# Altium PCB Thermostat_8CH.PCBDOC (part 9 of 10) (continued)
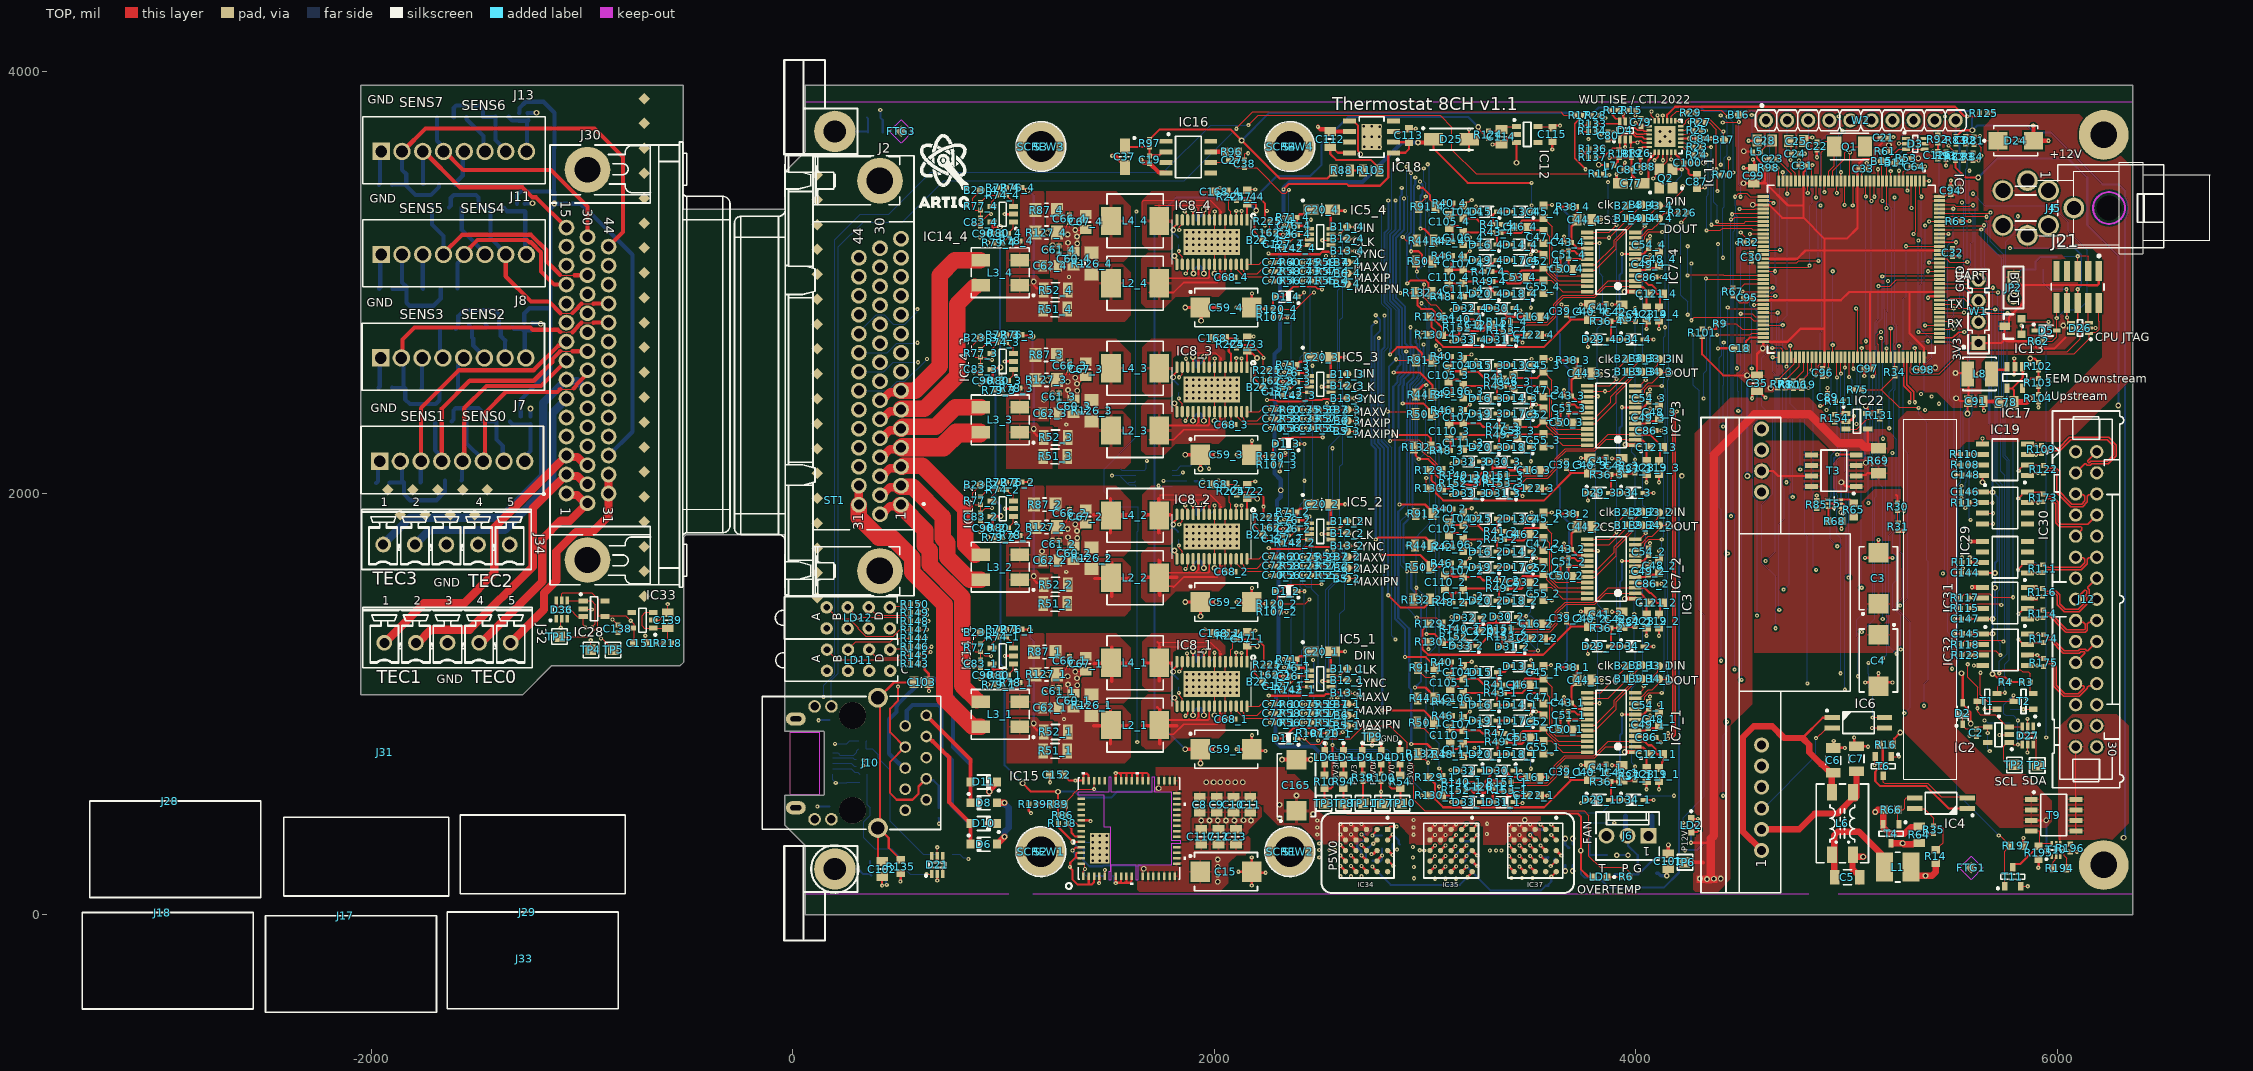
[diagram p0: TOP view]
## Nets (pads, with @x,y where several pads share a name; then routed paths per layer and width w, separated by ;. In a path a pad name is that pad's centre, name@x,y a point inside that pad or via, vN(x,y) a via of type N, cw(c..) or ccw(c..) an arc to the next point about the centre after c; other vN are vias at no path point) (continued)
  TOP w10: 1735.19,1525.78 1735.19,1557.83 1735.19,1684.36 1735.62,1684.8
  TOP w15.75: 1660.66,1601.71 1821.72,1601.71 ; 1741.19,1516.58 1741.19,1677.64
SW1_3: IC8_3.19 IC8_3.21 IC8_3.23 L2_3.1 | length 795.3
  TOP w8: L2_3.1@1692.39,2253.69 1806.14,2253.69 1854.32,2301.87 2012.19,2301.87 2026.85,2316.53 IC8_3.23@2026.85,2387.6 ; L2_3.1@1752.95,2309.13 1765.52,2321.71 1908.06,2321.71 ; IC8_3.19@1924.49,2387.6 1924.49,2338.14 1908.06,2321.71 ; IC8_3.21@1975.67,2387.6 1975.67,2326.39 1970.98,2321.71 1908.06,2321.71
SW1_4: IC8_4.19 IC8_4.21 IC8_4.23 L2_4.1 | length 772.1
  TOP w8: L2_4.1@1692.39,2952.51 1806.14,2952.51 1854.32,3000.69 2012.19,3000.69 2026.85,3015.35 IC8_4.23@2026.85,3086.42 ; L2_4.1@1752.95,3007.95 1765.52,3020.52 1908.06,3020.52 1970.98,3020.52 1975.67,3025.21 IC8_4.21@1975.67,3086.42 ; 1924.49,3036.96 IC8_4.19@1924.49,3086.42
SW2_1: IC8_1.6 IC8_1.8 IC8_1.10 L4_1.1 | length 1224.7
  TOP w5: 1730.99,1293.06 1981.58,1293.06 2026.85,1247.79 IC8_1.6@2026.85,1200.98 ; 1738.97,1271.04 1889.81,1271.04 ; IC8_1.10@1924.49,1200.98 1924.49,1253.98 1907.44,1271.04 1889.81,1271.04 ; IC8_1.8@1975.67,1200.98 1975.67,1254.26 1958.89,1271.04 1889.81,1271.04
  TOP w10: 1730.99,1293.06 1738.97,1285.08 1738.97,1271.04 1738.97,1107
  TOP w15.75: 1670.28,1195.26 1791.43,1192.98 ; 1738.19,1110.86 1738.19,1271.91
SW2_2: IC8_2.6 IC8_2.8 IC8_2.10 L4_2.1 | length 1237.5
  TOP w5: 1743.11,1808.88 1742.58,1809.41 1742.58,1969.85 ; IC8_2.10@1924.49,1899.8 1924.49,1952.8 1907.44,1969.85 1958.89,1969.85 ; IC8_2.8@1975.67,1899.8 1975.67,1953.08 1958.89,1969.85 ; IC8_2.6@2026.85,1899.8 2026.85,1946.61 1981.58,1991.88 1742.58,1991.88 1742.58,1969.85 ; 1742.58,1969.85 1958.89,1969.85
  TOP w15.75: 1669.87,1898.38 1791.43,1897.8 ; 1735.19,1812.68 1735.19,1973.73
SW2_3: IC8_3.6 IC8_3.8 IC8_3.10 L4_3.1 | length 361.5
  TOP w5: L4_3.1@1738.19,2593.62 1753.88,2609.32 L4_3.1@1753.88,2621.22 ; IC8_3.10@1924.49,2598.62 1924.49,2651.62 1908.05,2668.06 1959.5,2668.06 ; IC8_3.8@1975.67,2598.62 1975.67,2651.9 1959.5,2668.06 ; IC8_3.6@2026.85,2598.62 2026.85,2645.43 2004.21,2668.06 1959.5,2668.06
SW2_4: IC8_4.6 IC8_4.8 IC8_4.10 L4_4.1 | length 971.8
  TOP w5: 1658.68,3297.44 1658.68,3382.87 1665.33,3389.52 1981.58,3389.52 2026.85,3344.24 IC8_4.6@2026.85,3297.44 ; 1716.83,3367.49 1907.44,3367.49 1924.49,3350.44 IC8_4.10@1924.49,3297.44 ; L4_4.1@1738.19,3292.44 1753.88,3308.14 L4_4.1@1753.88,3320.04 ; 1888.38,3366.07 1889.81,3367.49 1958.89,3367.49 1975.67,3350.72 IC8_4.8@1975.67,3297.44
SWCLK: D26.3 IC9.109 J21.4 | length 918.1
  TOP w5: IC9.109@5441.06,2719.23 5495.18,2719.23 5542,2672.42 6047.97,2672.42 6107.89,2732.34 6107.89,2801.5 6115.97,2809.58 D26.3@6139.26,2809.58 ; J21.4@6146.85,2897.64 6146.85,2817.16 D26.3@6139.26,2809.58 ; D26.3@6151.2,2809.58 D26.3@6139.26,2809.58
SWDIO: D26.1 IC9.105 J21.2 | length 1196.3
  TOP w5: IC9.105@5308.18,2645.41 5308.18,2603.76 5301.75,2597.33 5301.75,2574.74 5309.25,2567.24 5439.43,2567.24 5534.61,2662.42 6080.37,2662.42 6151.2,2733.25 D26.1@6151.2,2758.4 6156.57,2763.77 6185.07,2763.77 6198.79,2777.49 6198.79,2815.23 6196.85,2817.16 J21.2@6196.85,2897.64
TACHO: IC9.69 R9.1 | length 196
  TOP w5: R9.1@4419.5,2805 4477.28,2805 4503.99,2778.29 IC9.69@4604.44,2778.29
TD_N: J10.2 R134.2 | length 7698.2
  TOP w6: v1(3740.16,3715.47) 3773.12,3715.47 R134.2@3775.55,3717.91
  L2 w5: J10.2@633.04,545.87 633.04,544.4 631.58,544.4 601.6,514.42 601.6,508.82 607.83,502.58 607.83,464.72 589.44,446.33 510.23,446.33 402.54,554.01 402.54,934.64 461.39,993.49 461.39,1054.35 442.61,1073.13 421.42,1094.31 72.22,1094.31 68.99,1097.54 46.09,1120.44 46.09,3403.86 491.02,3848.8 3736.77,3848.8 3761.55,3824.02 3765.43,3820.13 3784.89,3800.68 3784.89,3744.63 3763.97,3723.7 3750.43,3723.7 3742.2,3715.47 v1(3740.16,3715.47)
TD_P: J10.1 R133.2 | length 7608.9
  TOP w6: v1(3742.93,3742.93) 3745.55,3745.55 3761.25,3745.55 3762.28,3746.57 3769.97,3746.57 R133.2@3776.73,3753.34
  L2 w5: J10.1@533.04,495.87 538.21,501.04 593.82,501.04 596.83,498.02 596.83,469.27 584.89,457.33 514.79,457.33 413.54,558.57 413.54,930.09 472.39,988.93 472.39,1058.91 425.98,1105.31 76.77,1105.31 57.09,1125 57.09,3399.31 495.58,3837.8 3732.21,3837.8 3773.89,3796.12 3773.89,3749.18 3759.41,3734.7 3753.2,3734.7 3744.97,3742.93 v1(3742.93,3742.93)
TDI: D26.4 IC9.110 J21.8 R33.1 | length 1023.8
  TOP w6: IC9.110@5441.06,2738.92 5504.92,2738.92 5531.33,2765.33 v1(5558.51,2765.33) ; v1(6043.31,2968) 6045.08,2966.23 6045.08,2835.64 v1(6046.85,2833.86) 6048.88,2831.83 D26.4@6048.88,2814.45 ; D26.4@6048.88,2814.45 6059.71,2814.45 D26.4@6064.58,2809.58 6053.76,2809.58 D26.4@6048.88,2814.45
  L2 w6: v1(5558.51,2765.33) 5559.72,2766.55 5959.6,2766.55 6011.09,2818.04 6031.02,2818.04 v1(6046.85,2833.86)
  BOT w6: R33.1@5933.13,3062.83 5933.13,2998.14 5963.27,2968 v1(6043.31,2968)
TDO: D26.6 IC9.133 J21.6 | length 1100.2
  TOP w6: IC9.133@5441.06,3191.67 v1(5519.69,3191.67) ; D26.6@6064.58,2758.4 6075.41,2758.4 6085.13,2768.11 6086.6,2768.11 6096.85,2778.37 6096.85,2967.85 v1(6097,2968)
  L2 w6: v1(5519.69,3191.67) 5690.08,3191.67 5718.37,3163.39 v1(5775.59,3163.39)
  BOT w6: v1(5775.59,3163.39) 6083.44,3163.39 6104.24,3142.59 6114.69,3132.14 6114.69,3131.7 6114.95,3131.45 6114.95,2985.95 v1(6097,2968)
TEC0+: J2.31 J2.32 L3_1.4 | length 1443.1
  TOP w39.37: J2.31@313,1945.95 J2.32@313,2036.11
  TOP w78.74: J2.31@313,1945.95 313,1884.56 407.98,1789.59 470.66,1789.59 565.64,1694.61 565.64,1626.21 719.26,1472.59 719.26,1026.12 811.41,933.97 853.65,891.73 L3_1.4@891.73,891.73
TEC0-: J2.1 J2.16 L3_1.3 | length 1190
  TOP w39.37: J2.16@413,1900.2 422.59,1900.2 461.56,1939.17 503.15,1939.17 J2.1@507.87,1943.9
  TOP w78.74: J2.1@507.87,1943.9 626.89,1824.88 626.89,1751.79 649.38,1729.3 649.38,1660.9 803,1507.28 803,1086.76 L3_1.3@872.06,1017.71
TEC1+: J2.2 J2.17 L3_2.4 | length 777.6
  TOP w39.37: J2.17@413,1990.36 422.59,1990.36 461.56,2029.33 510.63,2029.33 J2.2@511.81,2030.51
  TOP w78.74: J2.2@511.81,2030.51 568.9,2030.51 710.63,1888.78 710.63,1786.47 733.12,1763.98 733.12,1695.59 838.15,1590.55 L3_2.4@891.73,1590.55
TEC1-: J2.3 J2.18 L3_2.3 | length 746.3
  TOP w39.37: J2.18@413,2080.52 422.59,2080.52 461.56,2119.49 512.2,2119.49 J2.3@517.72,2125
  TOP w78.74: J2.3@517.72,2125 522.56,2129.84 614.25,2129.84 817.91,1926.18 817.91,1754.79 L3_2.3@864.04,1708.66
TEC2+: J2.4 J2.19 L3_3.4 | length 962.5
  TOP w39.37: J2.19@413,2170.68 422.59,2170.68 461.56,2209.65 506.22,2209.65 J2.4@513,2216.43
  TOP w78.74: J2.4@513,2216.43 519.42,2222.84 703.47,2222.84 771.97,2291.34 L3_3.4@887.8,2291.34 ; J2.4@513.78,2213.58 716.54,2213.58 782.47,2279.52 ; 755.91,2255.91 779.53,2279.53 L3_3.4@887.8,2279.53
TEC2-: J2.5 J2.20 L3_3.3 | length 539.5
  TOP w39.37: J2.20@413,2260.83 422.59,2260.83 461.56,2299.8 506.22,2299.8 J2.5@513,2306.58
  TOP w78.74: J2.5@513,2306.58 521.39,2314.97 677.17,2314.97 769.69,2407.48 L3_3.3@891.73,2407.48
TEC3+: J2.6 J2.21 L3_4.4 | length 909.4
  TOP w39.37: J2.21@413,2350.99 422.59,2350.99 461.56,2389.96 503.15,2389.96 J2.6@513.78,2400.59
  TOP w78.74: J2.6@513.78,2400.59 623.03,2400.59 779.53,2557.09 779.53,2897.64 L3_4.4@862.2,2980.32
TEC3-: J2.7 J2.22 L3_4.3 | length 1003.4
  TOP w39.37: J2.22@413,2441.15 422.59,2441.15 461.56,2480.12 505.71,2480.12 J2.7@511.81,2486.22
  TOP w78.74: J2.7@511.81,2486.22 579.72,2486.22 695.79,2602.28 695.79,3034.37 767.72,3106.3 L3_4.3@887.8,3106.3
TEC_U_meas0: B23_1.1 C83_1.2 IC9.29 R77_1.2 | length 6387.4
  TOP w5: C83_1.2@890.18,1208.45 R77_1.2@890.17,1247.83 ; B23_1.1@890.82,1340.94 854.08,1304.19 854.08,1259.07 865.32,1247.83 R77_1.2@890.17,1247.83 ; v1(940.36,1228.14) 910.65,1228.14 890.96,1247.83 R77_1.2@890.17,1247.83 ; IC9.29@4816.06,3482.03 4816.05,3425.12 v1(4816.21,3424.96)
  L2 w5: v1(940.36,1228.14) 967.5,1255.28 1779.52,1255.28 1830.07,1305.83 2857.86,1305.83 v1(2858.87,1306.84) ; v1(2803,3348.28) 3153.85,3348.28 3222.22,3416.66 4456.33,3416.66 4469.6,3429.92 4643.12,3429.92 4652.02,3438.82 4802.35,3438.82 v1(4816.21,3424.96)
  BOT w5: v1(2803,3348.28) 2803,3342.18 2795.29,3334.47 2795.29,2899.41 2824.85,2869.85 2824.85,2693.34 2805.29,2673.78 2805.29,2252.12 2842.15,2215.26 2842.15,1323.56 v1(2858.87,1306.84)
TEC_U_meas1: B23_2.1 C83_2.2 IC9.34 R77_2.2 | length 5539.6
  TOP w5: C83_2.2@890.18,1907.27 912.8,1929.89 v1(944.3,1929.89) ; C83_2.2@890.18,1907.27 R77_2.2@890.17,1946.65 865.32,1946.65 854.08,1957.89 854.08,2003.01 B23_2.1@890.82,2039.75 ; IC9.34@4717.63,3482.03 4718,3481.65 4718,3421.85 v1(4718.38,3421.48)
  L2 w5: v1(944.3,1929.89) 962.99,1948.58 1424.11,1948.58 1445.39,1969.85 2125.5,1969.85 2142.23,1953.13 2224.96,1953.13 2247,1975.17 2364.27,1975.17 2397.8,2008.7 3227.87,2008.7 3232.38,2004.19 4062.44,2004.19 4077.13,2018.88 4101.62,2018.88 4134.86,2052.12 v1(4714.35,2052.12)
  BOT w5: v1(4714.35,2052.12) 4714.35,2362.32 4681.04,2395.63 4681.04,2599.7 4679.67,2601.08 4679.67,2805.16 4718.38,2843.87 v1(4718.38,3421.48)
TEC_U_meas2: B23_3.1 C83_3.2 IC9.37 R77_3.2 | length 4805.6
  TOP w5: C83_3.2@890.18,2606.09 R77_3.2@890.17,2645.47 ; B23_3.1@890.82,2738.57 854.08,2701.83 854.08,2656.71 865.32,2645.47 R77_3.2@890.17,2645.47 ; v1(944.3,2632.97) 928.34,2632.97 915.84,2645.47 R77_3.2@890.17,2645.47 ; v1(4471.46,3407.25) 4488.8,3424.6 4526.73,3424.6 4543.59,3407.73 4603.96,3407.73 IC9.37@4604.44,3408.21
  L2 w5: v1(944.3,2632.97) 948.28,2632.97 958.43,2643.12 1550.09,2643.12 1605.87,2587.34 2319.71,2587.34 2324.51,2592.15 2428.33,2592.15 2457.82,2562.66 2602.98,2562.66 2633.83,2593.5 v1(4480.41,2593.5)
  BOT w5: v1(4471.46,3407.25) 4471.46,3364.58 4474.34,3361.69 4474.34,3320.8 4480.41,3314.74 4480.41,3212.28 4497.14,3195.55 4497.14,2971.66 4480.41,2954.93 v1(4480.41,2593.5)
TEC_U_meas3: B23_4.1 C83_4.2 IC9.40 R77_4.2 | length 3966.3
  TOP w5: B23_4.1@890.82,3437.39 854.08,3400.65 854.08,3355.53 865.32,3344.28 R77_4.2@890.17,3344.28 C83_4.2@890.18,3304.91 910.28,3304.91 929.97,3324.6 v1(940.36,3324.6) ; v1(4492.61,3349.15) 4494.21,3347.56 4564.04,3347.56 4565.64,3349.15 IC9.40@4604.44,3349.15
  L2 w5: v1(940.36,3324.6) 980.83,3324.6 1024.87,3280.55 2119.02,3280.55 2129.02,3270.55 2215.28,3270.55 2235.69,3290.96 2345.14,3290.96 2355.55,3280.55 2659.53,3280.55 2666.87,3287.9 3607.11,3287.9 3670.55,3351.34 4490.42,3351.34 v1(4492.61,3349.15)
TECB0+: J30.31 J30.32 J32.5 | length 1036.6
  TOP w39.37: J32.5@-1339.24,1290.55 -1181.18,1448.62 -1181.18,1526.89 -1122.87,1585.19 -1122.87,1723.48 -1029.89,1816.46 -951.49,1816.46 -874.82,1893.14 J30.31@-874.82,1998.75 J30.32@-874.82,2088.91
TECB0-: J30.1 J30.16 J32.4 | length 1025.6
  TOP w39.37: J32.4@-1489.24,1290.55 -1480.26,1290.55 -1189,1581.81 -1189,1783 -1101.92,1870.08 -1057.74,1870.08 J30.16@-974.82,1953 -984.4,1953 -1002.12,1970.72 -1002.72,1970.72 -1023.97,1991.97 -1068.04,1991.97 J30.1@-1074.82,1998.75
TECB1+: J30.2 J30.17 J32.2 | length 1326.4
  TOP w39.37: J32.2@-1789.24,1290.55 -1779.66,1290.55 -1717.57,1352.64 -1534.02,1352.64 -1234.59,1652.07 -1234.59,1929.13 J30.2@-1074.82,2088.91 -1068.04,2082.13 -1023.37,2082.13 -984.4,2043.16 J30.17@-974.82,2043.16
TECB1-: J30.3 J30.18 J32.1 | length 1476.7
  TOP w39.37: J32.1@-1939.24,1290.55 -1751.8,1478 -1562,1478 -1418,1622 -1418,1835.88 J30.3@-1074.82,2179.06 -1068.04,2172.28 -1023.37,2172.28 -984.4,2133.31 J30.18@-974.82,2133.31
TECB2+: J30.4 J30.19 J34.5 | length 743.2
  L2 w39.37: J34.5@-1344.43,1756.67 -1160.63,1940.46 -1160.63,2183.41 J30.4@-1074.82,2269.22 -1068.04,2262.44 -1023.37,2262.44 -984.4,2223.47 J30.19@-974.82,2223.47
TECB2-: J30.5 J30.20 J34.4 | length 895.5
  L2 w39.37: J34.4@-1494.43,1756.67 -1205,2046.09 -1205,2229.19 J30.5@-1074.82,2359.38 -1068.04,2352.6 -1023.37,2352.6 -984.4,2313.63 J30.20@-974.82,2313.63
TECB3+: J30.6 J30.21 J34.2 | length 1319.4
  L2 w39.37: J30.6@-1074.82,2449.54 -1068.04,2442.76 -1023.37,2442.76 -984.4,2403.79 J30.21@-974.82,2403.79
  BOT w39.37: J34.2@-1794.43,1756.67 -1724.87,1826.22 -1367.28,1826.22 -1140.63,2052.87 -1140.63,2381.37 -1074.82,2447.18 J30.6@-1074.82,2449.54
TECB3-: J30.7 J30.22 J34.1 | length 1517
  BOT w39.37: J34.1@-1944.43,1756.67 -1817.09,1884 -1382,1884 -1185,2081 -1185,2429.51 J30.7@-1074.82,2539.69 -1068.04,2532.91 -1023.37,2532.91 -984.4,2493.94 J30.22@-974.82,2493.94
TXD: IC9.136 W1.3 | length 564.2
  TOP w5: IC9.136@5441.06,3250.73 5638.73,3250.73 v1(5639,3251)
  BOT w5: W1.3@5625.98,2913.39 5666.95,2954.35 5666.95,3047.98 5639,3075.92 v1(5639,3251)
U_meas_P3V3: C126.1 IC9.19 R92.1 R93.1 | length 639.5
  TOP w5: IC9.19@5012.91,3482.03 5014.45,3483.58 5014.45,3615.45 v1(5016,3617)
  TOP w10: v1(5408.95,3622.05) C126.1@5433.07,3622.05 ; R92.1@5433.07,3662.6 C126.1@5433.07,3622.05 ; R93.1@5472.44,3620.87 5471.85,3621.46 5433.66,3621.46 C126.1@5433.07,3622.05
  L2 w5: v1(5016,3617) 5175.08,3617 5179.48,3612.6 5395.53,3612.6 5404.98,3622.05 v1(5408.95,3622.05)
U_meas_P5V0: C93.1 IC9.26 R82.2 R84.1 | length 898.6
  TOP w5: IC9.26@4875.11,3482.03 4879.36,3486.28 4879.36,3619.39 v1(4893.31,3633.34) ; v1(5484.27,3650.15) 5484.27,3647.04 5515.63,3615.68 5555,3615.68 C93.1@5555.78,3614.9 5557.36,3616.47 R84.1@5599.35,3616.47
  L2 w5: v1(4893.31,3633.34) 4894.31,3634.34 5171.88,3634.34 5183.62,3622.6 5335.82,3622.6 5363.37,3650.15 v1(5484.27,3650.15)
U_meas_P12V0: C92.1 IC9.28 R81.1 R83.1 | length 1081
  TOP w5: IC9.28@4835.74,3482.03 4835.74,3555.82 v1(4837.2,3557.27) ; R83.1@5519.69,3656.06 5520.47,3656.06 5538.04,3673.63 5548.74,3673.63 5567.09,3655.28 R81.1@5604.13,3655.28 5623.84,3655.28 5639,3640.12 v1(5639,3602)
  L2 w5: v1(4837.2,3557.27) 5027.3,3557.27 5034.81,3549.76 5137.03,3549.76 5155.56,3568.29 5349.49,3568.29 5383.2,3602 v1(5639,3602)
USB_ID: C108.2 D21.1 FB2.1 IC9.102 | length 7792.2
  TOP w5: v1(633.04,192.91) D21.1@659.45,192.91 ; IC9.102@5249.13,2645.41 v1(5249.13,2698.18)
  L2 w5: v1(633.04,192.91) 822.37,192.91 868.33,238.87 868.33,469.27 858.34,479.26 858.34,589.97 868.33,599.97 908.71,640.35 916.74,640.35 938.39,662 1283.32,662 1315.96,694.64 1913.76,694.64 1941.25,667.15 3155.89,667.15 3207.49,718.75 3722.66,718.75 3732.66,728.75 4280.61,728.75 4513.86,962 5271.07,962 5274,959.07 v1(5274,956.66)
  BOT w5: FB2.1@352.17,666.34 352.17,629.33 C108.2@351.77,628.94 351.77,523.02 367.13,507.66 367.13,472.93 335.07,440.87 335.07,365.98 387.95,313.1 468.26,313.1 533.04,248.32 533.04,217 557.13,192.91 v1(633.04,192.91) ; v1(5249.13,2698.18) 5249.13,1960.52 5252.28,1957.37 5252.28,1723 5265.54,1709.73 5265.54,1505.72 5236.9,1477.07 5236.9,1454.54 5302.46,1388.97 5302.46,985.12 v1(5274,956.66)
USB_N: D21.4 IC9.103 L9.2 | length 7711.9
  TOP w5: v1(709.95,248.67) 709.95,278.85 D21.4@710.63,279.53
  TOP w6.69: v1(4152.66,861.17) 4156.18,861.17 4162.17,855.18 4171.25,855.18 4175.17,859.1 4175.17,2378.53 4169.17,2384.52 v1(4169.17,2388.04) ; IC9.103@5268.81,2645.41 5272.31,2641.92 5272.31,2509.21 5305.38,2476.14 5305.38,2441.41
  L2 w5: v1(4169.17,2388.04) 4169.17,2391.47 4176.02,2398.31 4176.02,2409.94 4185.52,2419.44 4782.7,2419.44 4811.21,2447.95 4931.08,2447.95 4955.82,2423.22 4959.71,2419.33 4976.04,2402.99 5049.69,2402.99 5066.88,2385.81 5283.23,2385.81 5306.23,2408.8 5306.23,2422.84 5299.39,2429.68 v1(5299.39,2431.9)
  L2 w5.98: v1(333.66,733.69) 337.37,733.69 343.72,727.34 357.44,727.34 373.37,711.42 373.37,542.45 673.95,241.88 699.6,241.88 706.39,248.67 v1(709.95,248.67) 713.66,248.67 719.56,242.77 773.28,242.77 779.53,249.02 779.53,644.59 882.16,747.22 1249.09,747.22 1282.69,780.83 1734.72,780.83 1758.99,756.55 2255.43,756.55 2274.45,775.57 2890.59,775.57 2896.57,769.58 3547.77,769.58 3573.62,795.44 3873.47,795.44 3932.85,854.82 4142.6,854.82 4148.95,861.17 v1(4152.66,861.17)
  BOT w5: 341.91,726.85 351,726.85 351.91,727.76 351.91,731.72 357.28,737.1 L9.2@367.13,737.1
USB_P: D21.3 IC9.104 L9.3 | length 7720.8
  TOP w5: v1(710.55,223.99) 710.55,192.99 D21.3@710.63,192.91
  TOP w6.69: v1(4152.66,836.49) 4156.18,836.49 4162.17,842.48 4176.51,842.48 4187.86,853.84 4187.86,2378.53 4193.86,2384.52 v1(4193.86,2388.04) ; IC9.104@5288.5,2645.41 5285,2641.92 5285,2514.47 5318.07,2481.39 5318.07,2441.41
  L2 w5: v1(4193.86,2388.04) 4193.86,2391.47 4187.02,2398.31 4187.02,2405.38 4190.08,2408.44 4787.26,2408.44 4815.76,2436.95 4926.53,2436.95 4971.48,2391.99 5045.13,2391.99 5062.32,2374.81 5287.79,2374.81 5317.23,2404.24 5317.23,2422.84 5324.07,2429.68 v1(5324.07,2431.9)
  L2 w5.98: v1(333.66,709.01) 337.37,709.01 343.72,715.36 352.48,715.36 361.39,706.45 361.39,537.49 394.53,504.35 403,495.88 668.98,229.89 700.95,229.89 ; v1(710.55,223.99) 714.12,223.99 720.91,230.79 778.25,230.79 791.51,244.05 791.51,639.63 887.12,735.24 1254.05,735.24 1287.66,768.84 1729.75,768.84 1731.55,767.04 1754.03,744.57 2260.4,744.57 2279.42,763.59 2885.62,763.59 2891.61,757.6 3552.73,757.6 3578.59,783.45 3878.43,783.45 3937.81,842.84 4142.6,842.84 4148.95,836.49 v1(4152.66,836.49)
  BOT w5: 341.91,715.85 351,715.85 351.91,714.94 351.91,710.98 357.28,705.6 L9.3@367.13,705.6
USB_VBUS: R34.2 R73.1 R75.1 | length 6983.6
  TOP w5: R75.1@5070.78,2491.88 5165.08,2491.88 ; R34.2@5229.44,2556.24 5228.65,2556.24 5219.74,2547.32 5219.74,2546.54 5165.08,2491.88 ; v1(5342.17,2405.26) 5339.57,2407.86 5249.1,2407.86 5165.08,2491.88
  L2 w5: v1(832.68,264.17) 832.68,533.46 843.62,544.41 843.62,611.83 903.79,672 1279.18,672 1313.78,706.6 1915.95,706.6 1945.39,677.15 3087.63,677.15 3139.23,728.75 3718.52,728.75 3736.81,747.05 4189.64,747.05 4434.6,992 v1(5367.54,992)
  BOT w5: R73.1@754.92,286.42 792.16,286.42 807.07,271.52 825.09,271.52 832.43,264.17 v1(832.68,264.17) ; v1(5342.17,2405.26) 5342.17,2375.24 5381.31,2336.09 5381.31,1683.32 5387,1677.63 5387,1116.24 5367.54,1096.79 v1(5367.54,992)
USBJ_N: J9.2 L9.1 | length 114.1
  BOT w5: J9.2@188.98,744.09 283.36,744.09 290.35,737.1 L9.1@300.2,737.1
USBJ_P: J9.3 L9.4 | length 116.6
  BOT w5: J9.3@188.98,718.5 277.45,718.5 290.35,705.6 L9.4@300.2,705.6
Vref0: IC9.13 R79_1.1 R80_1.1 R224_1.1 | length 7090.9
  TOP w5: v3(925.53,1092.82) 957.12,1092.82 R79_1.1@957.62,1092.31 ; R79_1.1@956.76,1091.92 957.22,1091.92 R79_1.1@957.62,1092.31 ; R80_1.1@985.84,1137.1 985.84,1136.32 966.93,1117.41 966.93,1101.62 R79_1.1@957.62,1092.31 ; IC9.13@5131.02,3482.03 5131.45,3481.59 5131.45,3407.92 v1(5131.89,3407.48)
  TOP w8: R224_1.1@2106.38,1305.83 2107.39,1306.84 2204.57,1306.84 2234.25,1277.16 v1(2234.25,1185.67)
  L2 w5: v3(925.53,1092.82) 1134.79,1092.82 1151.05,1109.08 1222.59,1109.08 1290.37,1176.85 2225.44,1176.85 v1(2234.25,1185.67) 2319.61,1185.67 2325.26,1191.32 2948.28,1191.32 2982.37,1225.4 3668.38,1225.4 3673.19,1220.59 4359.2,1220.59 4397.48,1258.86 v1(5256.89,1258.86) ; v1(5131.89,3407.48) 5135.24,3404.13 v1(5228.35,3404.13)
  BOT w5: v1(5228.35,3404.13) 5228.35,2806.59 5237.1,2797.84 5237.1,2710.68 5231.78,2705.36 5231.78,2494.58 5224.44,2487.24 5224.44,2267.6 5234.68,2257.36 5234.68,1821.78 5220,1807.1 5220,1715.81 5234.93,1700.88 5234.93,1586.55 5220,1571.62 5220,1457.29 5256.89,1420.4 v1(5256.89,1258.86)
Vref0+: J2.37 R50_1.2 R91_1.2 R129_1.1 R140_1.1 | length 5193.7
  TOP w5: R91_1.2@2966.02,1171.06 2966.02,1161.22 2999.74,1127.51 v1(3040.38,1127.51) ; R50_1.2@2970.66,893.98 2978.99,885.65 2993.51,885.65 v1(3039.38,839.79) ; v1(3067.2,694.5) 3079.82,681.88 R129_1.1@3079.82,652.78 ; R129_1.1@3078.84,651.79 3101.48,629.16 R140_1.1@3156.26,629.16
  L2 w5: v1(636.47,2637.02) 697.88,2698.44 2504.97,2698.44 2511.97,2691.44 2917.29,2691.44 2941.45,2667.28 3054.89,2667.28 v1(3068.01,2680.4)
  BOT w5: J2.37@313,2486.9 313.49,2486.41 449.01,2486.41 494.76,2532.15 531.6,2532.15 v1(636.47,2637.02) ; v1(3067.2,694.5) 3067.2,811.96 v1(3039.38,839.79) 3039.88,840.29 3039.88,1127.01 3068.01,1155.14 v1(3068.01,2680.4)
Vref0-: J2.38 R44_1.2 R130_1.1 R132_1.2 R152_1.1 | length 5184.7
  TOP w5: R132_1.2@2967.16,763.59 2967.16,753.74 2983.36,737.54 2998.23,737.54 v1(3014.36,721.41) ; R44_1.2@2972.84,1024.95 v1(3006.53,1024.95) ; v1(3067.2,608.49) 3067.2,579.74 R130_1.1@3080.78,566.16
  TOP w10: R130_1.1@3080.78,566.16 3131.46,566.16 3156.26,590.97 R152_1.1@3156.26,591.75
  L2 w5: v1(593.85,2621.96) 680.33,2708.44 2509.11,2708.44 2516.11,2701.44 2921.43,2701.44 2938.25,2684.62 3036.58,2684.62 v1(3052.17,2700.21)
  BOT w5: J2.38@313,2577.06 313.49,2576.56 431.6,2576.56 476.99,2621.96 v1(593.85,2621.96) ; v1(3052.17,2700.21) 3050.67,2698.71 3050.67,1271.41 3006.53,1227.26 v1(3006.53,1024.95) 3006.53,733.22 3014.36,725.38 3014.36,661.33 v1(3067.2,608.49)
Vref1: IC9.14 R79_2.1 R80_2.1 R224_2.1 | length 6107.5
  TOP w5: v3(925.53,1791.64) 957.12,1791.64 R79_2.1@957.62,1791.13 ; R79_2.1@956.76,1790.74 957.22,1790.74 R79_2.1@957.62,1791.13 ; R80_2.1@985.84,1835.92 985.84,1835.13 966.93,1816.23 966.93,1800.44 R79_2.1@957.62,1791.13 ; IC9.14@5111.33,3482.03 5111.33,3397.54 5118.11,3390.77 v1(5118.11,3386.79)
  TOP w8: R224_2.1@2106.41,1990.35 2107.2,1990.35 2114.61,1997.77 2114.61,1998.56 2121.72,2005.66 2211.25,2005.66 2232.98,1983.93 v1(2232.98,1936.62) v1(2232.98,1889.31)
  L2 w5: v3(925.53,1791.64) 1203.77,1791.64 1287.81,1875.67 2219.34,1875.67 v1(2232.98,1889.31) ; v1(2232.98,1936.62) 2261.53,1965.17 3483.46,1965.17 3499.7,1948.93 5098.54,1948.93 v1(5103.35,1953.74)
  BOT w5: v1(5103.35,1953.74) 5103.35,2125.38 5112.93,2134.96 5112.93,2429.17 5107.26,2434.83 5107.26,2668.79 5118.11,2679.64 v1(5118.11,3386.79)
Vref1+: J2.39 R50_2.2 R91_2.2 R129_2.1 R140_2.1 | length 4433.4
  TOP w5: v1(2914.37,1629.7) 2930.44,1629.7 2946.64,1645.9 R50_2.2@2946.64,1649.55 ; v1(2917.6,1901.52) R91_2.2@2963.15,1901.52 ; v1(2960.1,1410.41) 3052.5,1410.41 3079.82,1383.09 3079.82,1379.16 3101.48,1357.5 3145.03,1357.5 R140_2.1@3145.82,1358.29
  L2 w5: v1(591.37,2714.59) 672.08,2775.03 675.12,2778.07 678.05,2781 1252.2,2781 1252.77,2780.42 1610.06,2780.42 1623.26,2767.22 1958.29,2767.22 1971.5,2780.42 2311.55,2780.42 2336.68,2755.28 2785.85,2755.28 2788.17,2752.96 2962.26,2752.96 v1(2975.55,2739.67)
  BOT w5: J2.39@313,2667.21 313.49,2666.72 446.85,2666.72 492.25,2712.11 588.89,2712.11 v1(591.37,2714.59) ; v1(2960.1,1410.41) 2914.37,1456.15 v1(2914.37,1629.7) 2885.26,1658.82 2885.26,1869.17 v1(2917.6,1901.52) 2917.6,1940.24 2927.27,1949.92 2927.27,2224.75 2941.02,2238.51 2941.02,2508.52 2973.21,2540.7 2973.21,2545.93 2980.5,2553.22 2980.5,2685.18 2975.55,2690.13 v1(2975.55,2739.67)
Vref1-: J2.40 R44_2.2 R130_2.1 R132_2.2 R152_2.1 | length 4767.4
  TOP w5: v1(2917.6,1751.94) 2943.99,1751.94 R44_2.2@2950.91,1758.86 ; R132_2.2@2949.56,1499.13 2958.36,1507.93 v1(2958.36,1552)
  TOP w10: v1(3007.07,1331.61) 3045.65,1331.61 3080.78,1296.48 R130_2.1@3080.78,1294.51 3120.92,1294.51 3145.82,1319.41 R152_2.1@3145.82,1320.2
  L2 w5: v1(590.55,2873.77) 626.47,2909.69 2971.34,2909.69 2979.03,2902 v1(2983,2902)
  BOT w5: J2.40@313,2757.37 313,2765.28 394.4,2846.68 432.52,2846.68 476.93,2802.27 531.24,2802.27 590.55,2861.58 v1(590.55,2873.77) ; v1(2983,2902) 3010.34,2874.66 3010.34,2544.59 2998.93,2533.18 2998.93,2531.07 2966.02,2498.16 2966.02,2228.15 2952.27,2214.4 2952.27,2149.88 3022.74,2079.41 3022.74,1857.08 v1(2917.6,1751.94) 2932.66,1736.88 2946.12,1736.88 2958.36,1724.64 v1(2958.36,1552) 3007.07,1503.3 v1(3007.07,1331.61)
Vref2: IC9.15 R79_3.1 R80_3.1 R224_3.1 | length 5259.6
  TOP w5: R79_3.1@956.76,2489.56 957.22,2489.56 R79_3.1@957.62,2489.95 ; R79_3.1@957.12,2490.45 R79_3.1@957.62,2489.95 ; v1(985.84,2561.61) R80_3.1@985.84,2534.74 985.84,2533.95 966.93,2515.05 966.93,2499.26 R79_3.1@957.62,2489.95 ; v1(2232.98,2570) v1(2232.98,2642.54) ; v1(5091.65,3407.62) IC9.15@5091.65,3482.03
  TOP w8: R224_3.1@2104.77,2689.17 2105.56,2689.17 2120.26,2703.88 2178.92,2703.88 2232.98,2649.83 v1(2232.98,2642.54)
  L2 w5: v1(985.84,2561.61) 987.44,2561.61 1001.71,2575.88 1612.42,2575.88 1616.08,2572.22 2230.76,2572.22 v1(2232.98,2570) ; v1(2232.98,2642.54) 2598.94,2642.54 2635.91,2605.56 3191.48,2605.56 3252.37,2666.46 4534.96,2666.46 4589.8,2721.3 v1(5091.49,2721.3)
  BOT w5: v1(5091.49,2721.3) 5091.57,2721.38 5091.57,3407.54 v1(5091.65,3407.62)
Vref2+: J2.41 R50_3.2 R91_3.2 R129_3.1 R140_3.1 | length 5120
  TOP w5: v1(2822.63,2387.77) 2941.69,2387.77 R50_3.2@2954.29,2375.18 ; v1(2833.88,2248.06) 2837.85,2248.06 2843.92,2254.12 2969.68,2254.12 2990.91,2232.89 2990.91,2195.93 3012.14,2174.7 3020.82,2174.7 3057.05,2138.48 3057.05,2134.22 3079.82,2111.44 3079.82,2107.5 3101.48,2085.85 R140_3.1@3146.4,2085.85 ; v1@2870.96,2631.25 R91_3.2@2956.74,2631.25
  L2 w5: J2.41@313,2847.53 258.1,2902.43 258.1,3140.74 642.75,3525.4 670.06,3525.4 697.3,3552.64 1442.97,3552.64 1450.21,3559.88 1458,3559.88 1462.68,3564.56 1844.79,3564.56 1852,3571.77 2233.06,3571.77 2239.49,3565.34 2870.11,3565.34 v1(2872,3567.22)
  BOT w5: v1@2863.53,2635.78 2862.45,2636.85 2862.45,2867.6 2820.29,2909.76 2820.29,3231.25 2842.66,3253.62 2842.66,3537.88 v1(2872,3567.22)
  BOT w10: v1(2833.88,2248.06) 2832.02,2249.91 2832.02,2266.07 2829.05,2269.04 2829.05,2602.38 v1(2862.45,2635.78)
Vref2-: J2.42 R44_3.2 R130_3.1 R132_3.2 R152_3.1 | length 4999.8
  TOP w5: 2955.75,2188.55 R132_3.2@2955.75,2218.08
  TOP w10: 2955.75,2188.55 2955.75,2178.69 2969.23,2165.2 2969.23,2162.2 3015.64,2162.2 3044.55,2133.3 3044.55,2093.2 3062.38,2075.37 3062.95,2075.37 3080.78,2057.54 R130_3.1@3080.78,2022.86 3117.86,2022.86 3142.66,2047.66 R152_3.1@3142.66,2048.45 ; R44_3.2@2956.74,2468.23 2956.74,2478.07 2992.64,2513.98 3004.85,2513.98 v1(3005.61,2513.22)
  L2 w5: J2.42@313,2937.69 268.1,2982.59 268.1,3136.6 646.53,3515.03 673.84,3515.03 701.44,3542.64 1454.9,3542.64 1466.82,3554.56 1848.94,3554.56 1856.14,3561.77 2228.91,3561.77 2236.12,3554.56 2397.46,3554.56 2402.15,3549.88 2879.18,3549.88 2896.05,3566.75 2949.8,3566.75 2954.93,3561.61 v1(3012.66,3561.61)
  BOT w5: v1(2969.61,2162.2) 3003,2195.59 v1@3003,2513.22 ; v1(3005.61,2513.22) v1@3003,2513.22 ; v1(3012.66,3561.61) 3012.66,3557.64 3020.34,3549.95 3020.34,2533.18 3003,2515.84 v1@3003,2513.22
Vref3: IC9.18 R79_4.1 R80_4.1 R224_4.1 | length 4665
  TOP w5: v3(925.53,3189.27) 957.12,3189.27 R79_4.1@957.62,3188.77 ; R79_4.1@956.76,3188.38 957.22,3188.38 R79_4.1@957.62,3188.77 ; R80_4.1@985.84,3233.56 985.84,3232.77 966.93,3213.86 966.93,3198.08 R79_4.1@957.62,3188.77 ; v1(5029.33,3366.5) 5030.96,3368.13 5030.96,3480.4 IC9.18@5032.59,3482.03
  TOP w8: R224_4.1@2105.59,3387.99 2106.38,3387.99 2113.8,3395.41 2113.8,3396.2 2120.47,3402.87 2155.51,3402.87 2213.47,3403.3 2239.8,3376.96 2239.8,3340.21 ; v1(2239.8,3270.55) 2239.8,3340.21 ; v1(2249.74,3340.34) 2249.61,3340.21 2239.8,3340.21
  L2 w5: v3(925.53,3189.27) 1214.43,3189.27 1295.71,3270.55 2114.88,3270.55 2124.88,3260.55 2225.83,3260.55 2235.83,3270.55 v1(2239.8,3270.55) ; v1(2249.74,3340.34) 2309.57,3340.34 2315.84,3346.61 2575.43,3346.61 2609.04,3313 3618.07,3313 3671.57,3366.5 4527.48,3366.5 4546.41,3347.56 5010.4,3347.56 v1(5029.33,3366.5)